# KiCad board dacboard.kicad_pcb (continued)
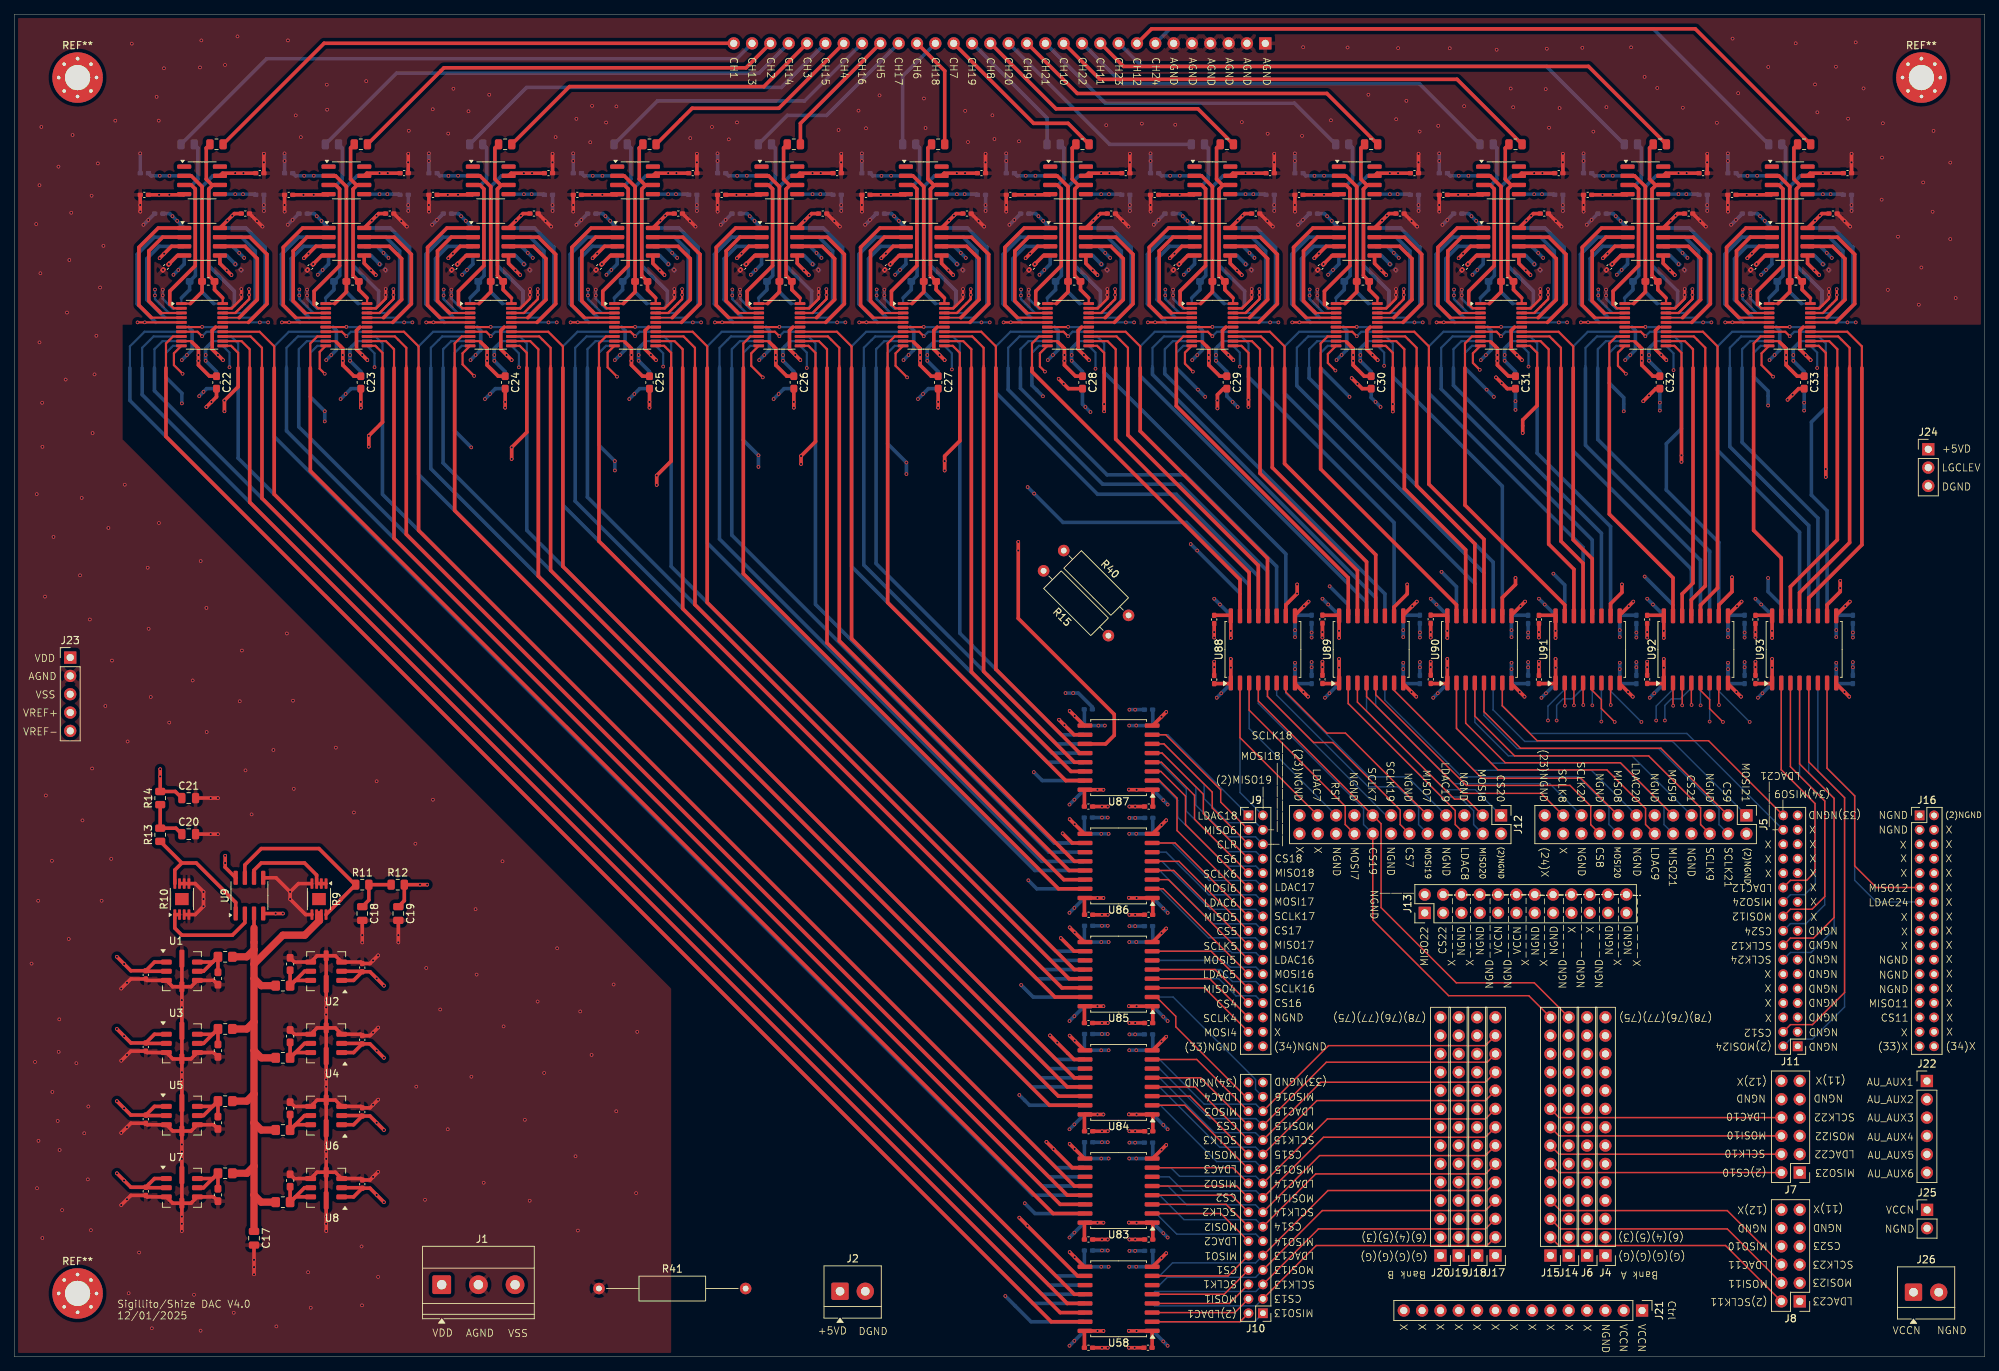
[diagram p0: board, top side]
## Routing (per net, layer and track width the routed paths; a pad name or vN(x,y) marks a point on that pad's centre or on a via; arc(x,y) is an arc through that point) (continued)
  Bottom w0.3: U39.20 43.14,146.69 43.12,146.7
  Bottom w0.5: 43.12,146.7 44.28,147.85 C60.2 45.07,149.8 45.07,161.79 44.5,162.37 U72.6 ; 43.52,162.37 U72.6 ; U72.6 44.61,162.37 45.42,163.17 45.42,167.49 R29.1
DAC14_SCLK: length 171.5
  Bottom w0.3: U39.13 39.27,141.38 37.7,139.8 37.7,137
  Bottom w0.5: 148.26,23.63 142.37,23.63 37.7,128.3 37.7,137
DAC14_SDIN: length 166.9
  Bottom w0.3: 39.4,137 39.4,139.6 40.52,140.72 U39.12
  Bottom w0.5: 148.26,24.91 143.34,24.91 39.4,128.85 39.4,137
DAC14_SDO: length 171.7
  In10.Cu w0.5: v1(43,131) 43,118.26 140,21.26 v1(140,21.25)
  Bottom w0.3: 41,137 41,139.1 41.98,140.07 U39.11
  Bottom w0.5: v1(43,129.6) v1(43,131) 41,133 41,137 ; v1(140,21.25) 141.43,19.82 148.26,19.82
DAC14_SYNC_N: length 176.3
  Bottom w0.3: 36,137 36,140 38.02,142.03 U39.14
  Bottom w0.5: 36,137 36,127.5 141.13,22.37 148.26,22.37
DAC14_VOUT: length 21
  Bottom w0.3: 50.47,145.82 49.92,145.28 U39.2
  Bottom w0.5: 48.47,162.37 47.5,162.37 46.95,161.81 46.95,151.18 50.47,147.65 50.47,145.82
DAC15_INV: length 22.4
  Bottom w0.2: 68.13,163.63 68.47,163.63 67.68,163.63
  Bottom w0.3: U40.1 67.62,145.93
  Bottom w0.5: 67.62,145.93 66,147.55 C61.1 66,162.14 67.5,163.63 68.47,163.63
DAC15_LDAC_N: length 136.1
  Bottom w0.3: 71,137 71,140.4 70.03,141.38 U40.8
  Bottom w0.5: 71,137 71,114.5 144.32,41.18 148.26,41.18
DAC15_RFB: length 26.1
  Bottom w0.2: 63.87,162.37 U73.6
  Bottom w0.3: U40.20 63.14,146.69 63.12,146.7
  Bottom w0.5: 63.12,146.7 64.28,147.85 C61.2 65.07,149.8 65.07,161.79 64.5,162.37 U73.6 ; U73.6 64.61,162.37 65.42,163.17 65.42,167.49 R30.1 ; U73.6 63.52,162.37
DAC15_SCLK: length 148.4
  Bottom w0.3: U40.13 59.28,141.38 57.7,139.8 57.7,137
  Bottom w0.5: 148.26,38.63 142.12,38.63 57.7,123.05 57.7,137
DAC15_SDIN: length 143.6
  Bottom w0.3: 59.4,137 59.4,139.6 60.53,140.72 U40.12
  Bottom w0.5: 148.26,39.91 143.34,39.91 59.4,123.85 59.4,137
DAC15_SDO: length 147.4
  In10.Cu w0.5: v1(139.25,36.25) 63.3,112.2 v1(63.3,126)
  Bottom w0.3: 61,137 61,139.1 61.97,140.07 U40.11
  Bottom w0.5: v1(63.3,126) 61,128.3 61,137 ; v1(139.25,36.25) 140.68,34.82 148.26,34.82
DAC15_SYNC_N: length 153.1
  Bottom w0.3: U40.14 58.03,142.03 56,140 56,137
  Bottom w0.5: 148.26,37.37 140.88,37.37 56,122.25 56,137
DAC15_VOUT: length 21
  Bottom w0.3: 70.47,145.82 69.92,145.28 U40.2
  Bottom w0.5: 70.47,145.82 70.47,147.65 66.95,151.18 66.95,161.81 67.5,162.37 68.47,162.37
DAC16_INV: length 22.4
  Bottom w0.2: 88.13,163.63 88.47,163.63 87.68,163.63
  Bottom w0.3: U41.1 87.62,145.93
  Bottom w0.5: 88.47,163.63 87.5,163.63 86,162.14 C62.1 86,147.55 87.62,145.93
DAC16_LDAC_N: length 112.8
  Bottom w0.3: U41.8 90.03,141.38 91,140.4 91,137
  Bottom w0.5: 91,137 91,109.5 144.32,56.18 148.26,56.18
DAC16_RFB: length 26.1
  Bottom w0.2: 83.87,162.37 U74.6
  Bottom w0.3: 83.12,146.7 83.14,146.69 U41.20
  Bottom w0.5: U74.6 84.61,162.37 85.42,163.17 85.42,167.49 R31.1 ; U74.6 83.52,162.37 ; U74.6 84.5,162.37 85.07,161.79 85.07,149.8 C62.2 84.28,147.85 83.12,146.7
DAC16_SCLK: length 124.8
  Bottom w0.3: U41.13 79.28,141.38 77.7,139.8 77.7,137
  Bottom w0.5: 148.26,53.63 142.62,53.63 77.7,118.55 77.7,137
DAC16_SDIN: length 120.2
  Bottom w0.3: U41.12 80.53,140.72 79.4,139.6 79.4,137
  Bottom w0.5: 79.4,137 79.4,119.1 143.59,54.91 148.26,54.91
DAC16_SDO: length 125.1
  In10.Cu w0.5: v1(139.5,51.5) 83.2,107.8 v1(83.2,124.1)
  Bottom w0.3: U41.11 81.97,140.07 81,139.1 81,137
  Bottom w0.5: 148.26,49.82 141.18,49.82 v1(139.5,51.5) ; 81,137 81,126.3 v1(83.2,124.1) v1(83.2,122.8)
DAC16_SYNC_N: length 129.4
  Bottom w0.3: U41.14 78.03,142.03 76,140 76,137
  Bottom w0.5: 76,137 76,118 141.63,52.37 148.26,52.37
DAC16_VOUT: length 21
  Bottom w0.3: 90.47,145.82 89.92,145.28 U41.2
  Bottom w0.5: 90.47,145.82 90.47,147.65 86.95,151.18 86.95,161.81 87.5,162.37 88.47,162.37
DAC17_INV: length 22.4
  Bottom w0.2: 107.68,163.63 108.47,163.63 108.13,163.63
  Bottom w0.3: U44.1 107.62,145.93
  Bottom w0.5: 108.47,163.63 107.5,163.63 106,162.14 C63.1 106,147.55 107.62,145.93
DAC17_LDAC_N: length 89.7
  Bottom w0.3: U44.8 110.03,141.38 111,140.4 111,137
  Bottom w0.5: 148.26,71.17 144.07,71.17 111,104.25 111,137
DAC17_RFB: length 26.1
  Bottom w0.2: 103.87,162.37 U75.6
  Bottom w0.3: 103.12,146.7 103.14,146.69 U44.20
  Bottom w0.5: U75.6 104.5,162.37 105.07,161.79 105.07,149.8 C63.2 104.28,147.85 103.12,146.7 ; U75.6 103.52,162.37 ; U75.6 104.61,162.37 105.42,163.17 105.42,167.49 R32.1
DAC17_SCLK: length 101.7
  Bottom w0.3: 97.7,137 97.7,139.8 99.28,141.38 U44.13
  Bottom w0.5: 148.26,68.63 142.37,68.63 97.7,113.3 97.7,137
DAC17_SDIN: length 97
  Bottom w0.3: U44.12 100.53,140.72 99.4,139.6 99.4,137
  Bottom w0.5: 99.4,137 99.4,113.85 143.34,69.91 148.26,69.91
DAC17_SDO: length 101.9
  In10.Cu w0.5: v1(103.1,124.9) 103.1,103.4 v1(140.5,66)
  Bottom w0.3: 101,137 101,139.1 101.97,140.07 U44.11
  Bottom w0.5: v1(103.1,123.3) v1(103.1,124.9) 101,127 101,137 ; v1(140.5,66) 141.68,64.82 148.26,64.82
DAC17_SYNC_N: length 106.3
  Bottom w0.3: U44.14 98.03,142.03 96,140 96,137
  Bottom w0.5: 148.26,67.37 141.38,67.37 96,112.75 96,137
DAC17_VOUT: length 21
  Bottom w0.3: U44.2 109.92,145.28 110.47,145.82
  Bottom w0.5: 110.47,145.82 110.47,147.65 106.95,151.18 106.95,161.81 107.5,162.37 108.47,162.37
DAC18_INV: length 22.4
  Bottom w0.2: 127.68,163.63 128.47,163.63 128.13,163.63
  Bottom w0.3: U45.1 127.62,145.93
  Bottom w0.5: 128.47,163.63 127.5,163.63 126,162.14 C64.1 126,147.55 127.62,145.93
DAC18_LDAC_N: length 65.8
  Bottom w0.3: U45.8 130.03,141.38 131,140.4 131,137
  Bottom w0.5: 131,137 131,100.25 145.07,86.17 148.26,86.17
DAC18_RFB: length 26.1
  Bottom w0.2: 123.87,162.37 U76.6
  Bottom w0.3: U45.20 123.14,146.69 123.12,146.7
  Bottom w0.5: U76.6 124.61,162.37 125.42,163.17 125.42,167.49 R33.1 ; U76.6 123.52,162.37 ; U76.6 124.5,162.37 125.07,161.79 125.07,149.8 C64.2 124.28,147.85 123.12,146.7
DAC18_SCLK: length 77.5
  Bottom w0.3: U45.13 119.28,141.38 117.7,139.8 117.7,137
  Bottom w0.5: 117.7,137 117.7,109.7 143.76,83.64 148.26,83.64
DAC18_SDIN: length 73.1
  Bottom w0.3: 119.4,137 119.4,139.6 120.53,140.72 U45.12
  Bottom w0.5: 148.26,84.91 144.4,84.91 119.4,109.9 119.4,137
DAC18_SDO: length 78.1
  In10.Cu w0.5: v1(123.6,123.9) 123.6,98.65 v1(141.25,81)
  Bottom w0.3: U45.11 121.97,140.07 121,139.1 121,137
  Bottom w0.5: v1(141.25,81) 142.43,79.83 148.26,79.83 ; v1(123.6,122.3) v1(123.6,123.9) 121,126.5 121,137
DAC18_SYNC_N: length 82
  Bottom w0.3: 116,137 116,140 118.03,142.03 U45.14
  Bottom w0.5: 148.26,82.36 143.13,82.36 116,109.5 116,137
DAC18_VOUT: length 21
  Bottom w0.3: 130.47,145.82 129.92,145.28 U45.2
  Bottom w0.5: 128.47,162.37 127.5,162.37 126.95,161.81 126.95,151.18 130.47,147.65 130.47,145.82
DAC19_INV: length 22.4
  Bottom w0.2: 147.68,163.63 148.47,163.63 148.13,163.63
  Bottom w0.3: U50.1 147.62,145.93
  Bottom w0.5: 148.47,163.63 147.5,163.63 146,162.14 C65.1 146,147.55 147.62,145.93
DAC19_LDAC_N: length 50.6
  Bottom w0.3: 151,137 151,140.4 150.03,141.38 U50.8
  Bottom w0.5: 151,137 151,136.4 176.18,111.22 176.18,102.74
DAC19_RFB: length 26.1
  Bottom w0.2: 143.87,162.37 U77.6
  Bottom w0.3: U50.20 143.14,146.69 143.12,146.7
  Bottom w0.5: U77.6 144.61,162.37 145.42,163.17 145.42,167.49 R34.1 ; U77.6 143.52,162.37 ; U77.6 144.5,162.37 145.07,161.79 145.07,149.8 C65.2 144.28,147.85 143.12,146.7
DAC19_SCLK: length 64.4
  Bottom w0.3: 137.7,137 137.7,139.8 139.28,141.38 U50.13
  Bottom w0.5: 173.63,102.74 173.63,108.86 161.6,120.9 150.8,120.9 137.7,134 137.7,137
DAC19_SDIN: length 62.1
  Bottom w0.3: 139.4,137 139.4,139.6 140.53,140.72 U50.12
  Bottom w0.5: 139.4,137 139.4,134.2 151.4,122.2 162.2,122.2 174.91,109.5 174.91,102.74
DAC19_SDO: length 52.1
  In10.Cu w0.5: v1(163.9,111.7) v1(163,112.6) v1(142.52,133.08)
  Bottom w0.3: U50.11 141.97,140.07 141,139.1 141,137
  Bottom w0.5: 169.82,102.74 169.82,105.78 v1(163,112.6) ; 141,137 141,134.6 v1(142.52,133.08)
DAC19_SYNC_N: length 66.7
  Bottom w0.3: U50.14 138.03,142.03 136,140 136,137
  Bottom w0.5: 136,137 136,133.6 150.1,119.5 161,119.5 172.37,108.14 172.37,102.74
DAC19_VOUT: length 21
  Bottom w0.3: U50.2 149.92,145.28 150.47,145.82
  Bottom w0.5: 148.47,162.37 147.5,162.37 146.95,161.81 146.95,151.18 150.47,147.65 150.47,145.82
DAC20_INV: length 22.4
  Bottom w0.2: 168.13,163.63 168.47,163.63 167.68,163.63
  Bottom w0.3: U51.1 167.62,145.93
  Bottom w0.5: 168.47,163.63 167.5,163.63 166,162.14 C66.1 166,147.55 167.62,145.93
DAC20_LDAC_N: length 48.6
  Bottom w0.3: U51.8 170.03,141.38 171,140.4 171,137
  Bottom w0.5: 171,137 171,135.75 191.18,115.58 191.18,102.74
DAC20_RFB: length 26.1
  Bottom w0.2: 163.87,162.37 U78.6
  Bottom w0.3: 163.12,146.7 163.14,146.69 U51.20
  Bottom w0.5: U78.6 164.5,162.37 165.07,161.79 165.07,149.8 C66.2 164.28,147.85 163.12,146.7 ; U78.6 163.52,162.37 ; U78.6 164.61,162.37 165.42,163.17 165.42,167.49 R35.1
DAC20_SCLK: length 56
  Bottom w0.3: U51.13 159.28,141.38 157.7,139.8 157.7,137
  Bottom w0.5: 157.7,137 157.7,136.1 188.63,105.17 188.63,102.74
DAC20_SDIN: length 53.7
  Bottom w0.3: U51.12 160.53,140.72 159.4,139.6 159.4,137
  Bottom w0.5: 189.91,102.74 189.91,105.69 159.4,136.2 159.4,137
DAC20_SDO: length 50.2
  In10.Cu w0.5: v1(182.25,106.75) 165,124 v1(165,133) v1(164,134)
  Bottom w0.3: U51.11 161.97,140.07 161,139.1 161,137
  Bottom w0.5: 161,137 v1(165,133) ; 184.82,102.74 184.82,104.17 v1(182.25,106.75)
DAC20_SYNC_N: length 58.2
  Bottom w0.3: 156,137 156,140 158.03,142.03 U51.14
  Bottom w0.5: 156,137 156,135.9 187.37,104.53 187.37,102.74
DAC20_VOUT: length 21
  Bottom w0.3: U51.2 169.92,145.28 170.47,145.82
  Bottom w0.5: 168.47,162.37 167.5,162.37 166.95,161.81 166.95,151.18 170.47,147.65 170.47,145.82
DAC21_INV: length 22.4
  Bottom w0.2: 188.13,163.63 188.47,163.63 187.68,163.63
  Bottom w0.3: U52.1 187.62,145.93
  Bottom w0.5: 187.62,145.93 186,147.55 C67.1 186,162.14 187.5,163.63 188.47,163.63
DAC21_LDAC_N: length 46.5
  Bottom w0.3: 191,137 191,140.4 190.03,141.38 U52.8
  Bottom w0.5: 206.18,102.74 206.18,120.62 191,135.8 191,137
DAC21_RFB: length 26.1
  Bottom w0.2: 183.87,162.37 U79.6
  Bottom w0.3: U52.20 183.14,146.69 183.12,146.7
  Bottom w0.5: U79.6 184.61,162.37 185.42,163.17 185.42,167.49 R36.1 ; U79.6 184.5,162.37 185.07,161.79 185.07,149.8 C67.2 184.28,147.85 183.12,146.7 ; U79.6 183.52,162.37
DAC21_SCLK: length 53.9
  Bottom w0.3: U52.13 179.28,141.38 177.7,139.8 177.7,137
  Bottom w0.5: 177.7,137 177.7,134.55 203.63,108.61 203.63,102.74
DAC21_SDIN: length 51.6
  Bottom w0.3: 179.4,137 179.4,139.6 180.53,140.72 U52.12
  Bottom w0.5: 179.4,137 179.4,135.6 204.91,110.09 204.91,102.74
DAC21_SDO: length 46.7
  In10.Cu w0.5: v1(185,133) 188,130 188,118.5 v1(197.75,108.75)
  Bottom w0.3: U52.11 181.97,140.07 181,139.1 181,137
  Bottom w0.5: v1(197.75,108.75) 199.82,106.67 199.82,102.74 ; 181,137 v1(185,133)
DAC21_SYNC_N: length 56.2
  Bottom w0.3: U52.14 178.03,142.03 176,140 176,137
  Bottom w0.5: 202.37,102.74 202.37,107.14 176,133.5 176,137
DAC21_VOUT: length 21
  Bottom w0.3: U52.2 189.92,145.28 190.47,145.82
  Bottom w0.5: 190.47,145.82 190.47,147.65 186.95,151.18 186.95,161.81 187.5,162.37 188.47,162.37
DAC22_INV: length 22.4
  Bottom w0.2: 207.68,163.63 208.47,163.63 208.13,163.63
  Bottom w0.3: U53.1 207.62,145.93
  Bottom w0.5: 208.47,163.63 207.5,163.63 206,162.14 C68.1 206,147.55 207.62,145.93
DAC22_LDAC_N: length 44.4
  Bottom w0.3: 211,137 211,140.4 210.03,141.38 U53.8
  Bottom w0.5: 221.18,102.74 221.18,115.03 211,125.2 211,137
DAC22_RFB: length 26.1
  Bottom w0.2: 203.87,162.37 U80.6
  Bottom w0.3: U53.20 203.14,146.69 203.12,146.7
  Bottom w0.5: U80.6 204.61,162.37 205.42,163.17 205.42,167.49 R37.1 ; U80.6 203.52,162.37 ; U80.6 204.5,162.37 205.07,161.79 205.07,149.8 C68.2 204.28,147.85 203.12,146.7
DAC22_SCLK: length 51.8
  Bottom w0.3: 197.7,137 197.7,139.8 199.28,141.38 U53.13
  Bottom w0.5: 197.7,137 197.7,134.1 218.63,113.17 218.63,102.74
DAC22_SDIN: length 49.6
  Bottom w0.3: 199.4,137 199.4,139.6 200.53,140.72 U53.12
  Bottom w0.5: 199.4,137 199.4,134.6 219.91,114.09 219.91,102.74
DAC22_SDO: length 46
  In10.Cu w0.5: v1(213.25,108.5) 205.77,115.98 205.77,132.23 v1(205,133) v1(204,134)
  Bottom w0.3: U53.11 201.97,140.07 201,139.1 201,137
  Bottom w0.5: 201,137 v1(205,133) ; 214.82,102.74 214.82,106.92 v1(213.25,108.5)
DAC22_SYNC_N: length 54.1
  Bottom w0.3: 196,137 196,140 198.03,142.03 U53.14
  Bottom w0.5: 217.37,102.74 217.37,112.14 196,133.5 196,137
DAC22_VOUT: length 21
  Bottom w0.3: U53.2 209.92,145.28 210.47,145.82
  Bottom w0.5: 208.47,162.37 207.5,162.37 206.95,161.81 206.95,151.18 210.47,147.65 210.47,145.82
DAC23_INV: length 22.4
  Bottom w0.2: 227.68,163.63 228.47,163.63 228.13,163.63
  Bottom w0.3: U56.1 227.62,145.93
  Bottom w0.5: 228.47,163.63 227.5,163.63 226,162.14 C69.1 226,147.55 227.62,145.93
DAC23_LDAC_N: length 44.1
  Bottom w0.3: 231,137 231,140.4 230.03,141.38 U56.8
  Bottom w0.5: 231,137 231,128.6 228.9,126.5 228.9,120.1 236.18,112.83 236.18,102.74
DAC23_RFB: length 26.1
  Bottom w0.2: 223.87,162.37 U81.6
  Bottom w0.3: U56.20 223.14,146.69 223.12,146.7
  Bottom w0.5: U81.6 224.61,162.37 225.42,163.17 225.42,167.49 R38.1 ; U81.6 223.52,162.37 ; U81.6 224.5,162.37 225.07,161.79 225.07,149.8 C69.2 224.28,147.85 223.12,146.7
DAC23_SCLK: length 49.8
  Bottom w0.3: 217.7,137 217.7,139.8 219.28,141.38 U56.13
  Bottom w0.5: 233.63,102.74 233.63,110.36 217.7,126.3 217.7,137
DAC23_SDIN: length 47.5
  Bottom w0.3: 219.4,137 219.4,139.6 220.53,140.72 U56.12
  Bottom w0.5: 219.4,137 219.4,127.1 234.91,111.59 234.91,102.74
DAC23_SDO: length 42.6
  In10.Cu w0.5: v1(225.9,108.1) 225.9,118.1 223,121 v1(223,131)
  Bottom w0.3: 221,137 221,139.1 221.97,140.07 U56.11
  Bottom w0.5: 229.82,102.74 229.82,104.17 v1(225.9,108.1) ; 221,137 221,134.9 223,132.9 v1(223,131)
DAC23_SYNC_N: length 52
  Bottom w0.3: 216,137 216,140 218.03,142.03 U56.14
  Bottom w0.5: 216,137 216,125.5 232.37,109.14 232.37,102.74
DAC23_VOUT: length 21
  Bottom w0.3: 230.47,145.82 229.92,145.28 U56.2
  Bottom w0.5: 228.47,162.37 227.5,162.37 226.95,161.81 226.95,151.18 230.47,147.65 230.47,145.82
DAC24_INV: length 22.4
  Bottom w0.2: 247.68,163.63 248.47,163.63 248.13,163.63
  Bottom w0.3: U57.1 247.62,145.93
  Bottom w0.5: 248.47,163.63 247.5,163.63 246,162.14 C70.1 246,147.55 247.62,145.93
DAC24_LDAC_N: length 41.9
  Bottom w0.3: U57.8 250.02,141.38 251,140.4 251,137
  Bottom w0.5: 251,137 251,131.5 249,129.5 249,119.4 251.18,117.22 251.18,102.74
DAC24_RFB: length 26.1
  Bottom w0.2: 243.87,162.37 U82.6
  Bottom w0.3: 243.12,146.7 243.14,146.69 U57.20
  Bottom w0.5: U82.6 244.61,162.37 245.42,163.17 245.42,167.49 R39.1 ; U82.6 243.52,162.37 ; U82.6 244.5,162.37 245.07,161.79 245.07,149.8 C70.2 244.28,147.85 243.12,146.7
DAC24_SCLK: length 47.7
  Bottom w0.3: 237.7,137 237.7,139.8 239.28,141.38 U57.13
  Bottom w0.5: 248.63,102.74 248.63,115.17 237.7,126.1 237.7,137
DAC24_SDIN: length 45.4
  Bottom w0.3: 239.4,137 239.4,139.6 240.53,140.72 U57.12
  Bottom w0.5: 249.9,102.74 249.9,116.19 239.4,126.7 239.4,137
DAC24_SDO: length 40.5
  In10.Cu w0.5: v1(243,107.9) v1(243,131.8)
  Bottom w0.3: 241,137 241,139.1 241.97,140.07 U57.11
  Bottom w0.5: 244.82,102.74 244.82,104.17 243,106 v1(243,107.9) ; 241,137 241,135.8 243,133.8 v1(243,131.8)
DAC24_SYNC_N: length 49.9
  Bottom w0.3: U57.14 238.03,142.03 236,140 236,137
  Bottom w0.5: 236,137 236,125.6 247.37,114.23 247.37,102.74
DAC24_VOUT: length 21
  Bottom w0.3: 250.47,145.82 249.92,145.28 U57.2
  Bottom w0.5: 248.47,162.37 247.5,162.37 246.95,161.81 246.95,151.18 250.47,147.65 250.47,145.82
LDAC_N_CH1: length 49.9
  Top w0.2: U58.2 169.82,4.82 J10.2
  In1.Cu w0.2: J18.2 201.29,15.15 181.53,15.15 173.36,6.98 171.98,6.98 J10.2
LDAC_N_CH2: length 51
  Top w0.2: U83.2 167.18,19.82 J10.12
  In1.Cu w0.2: J10.12 171.98,16.98 173.36,16.98 181.93,25.55 201.53,25.55 J18.6
LDAC_N_CH3: length 53.2
  Top w0.2: U84.2 162.18,34.82 J10.22
  In1.Cu w0.2: J10.22 171.98,26.98 173.36,26.98 181.85,35.47 201.29,35.47 J18.10
LDAC_N_CH4: length 58.7
  Top w0.2: U85.2 158.25,49.82 160.93,47.15 160.93,45.7 170.62,36 J10.32
  In1.Cu w0.2: J17.14 203.83,45.63 182.01,45.63 173.36,36.98 171.98,36.98 J10.32
LDAC_N_CH5: length 58.9
  Top w0.2: J9.23 159.18,64.82 U86.2
  In4.Cu w0.2: J20.5 175.39,46.37 175.39,49.99 173.36,52.02 171.98,52.02 J9.23
LDAC_N_CH6: length 63.5
  Top w0.2: U87.2 158.67,79.83 161.1,77.4 161.1,72.9 J9.13
  In4.Cu w0.2: J20.9 180.87,51.05 180.87,54.51 173.36,62.02 171.98,62.02 J9.13
LDAC_N_CH7: length 57.8
  Top w0.2: J12.21 169.82,85.78 U88.2
  In4.Cu w0.2: J20.14 187.39,57.23 187.39,63.71 181.85,69.25 181.85,73.75 J12.21
LDAC_N_CH8: length 63.6
  Top w0.2: U89.2 184.82,90.5 199.65,75.67 199.65,73.73 J12.6
  In3.Cu w0.2: J12.6 206.86,66.52 206.86,60.46 219.2,48.12 219.2,45.74 J4.13
LDAC_N_CH9: length 77
  Top w0.2: U90.2 199.82,87.05 205.57,81.3 220.68,81.3 226.03,75.95 226.03,73.73 J5.12
  In5.Cu w0.2: J5.12 227.3,46.24 J4.11
LDAC_N_CH10: length 125.3
  Top w0.2: 214.8,90.25 214.82,90.28 U91.2 ; J15.9 214.04,33.12 J7.8
  In1.Cu w0.2: v1(214.85,90.2) 214.85,84.15 221.06,77.94 247.07,77.94 249.5,75.51 249.5,35.97 247.9,34.38 246.1,34.38 J7.8
LDAC_N_CH11: length 143.5
  Top w0.2: J8.6 237.35,20.23 214.23,20.23 J15.4 ; 229.8,90.25 229.82,90.28 U92.2
  In1.Cu w0.2: v1(229.85,90.2) 229.85,86.38 232.66,83.57 249.04,83.57 256.48,76.13 256.48,21.23 249.13,13.88 246,13.88 J8.6
LDAC_N_CH12: length 79.3
  Top w0.2: J11.24 246.1,66 248.35,66 249.5,67.15 249.5,76.65 244.82,81.33 U93.2
  In1.Cu w0.2: J11.24 234.63,54.53 234.63,46.17 221.48,33.02 219.16,33.02 J6.8
LDAC_N_CH13: length 52.9
  Top w0.2: J17.5 204.07,23.01 182.01,23.01 J10.9
  Bottom w0.2: U94.2 158.67,11.18 160.48,12.98 171.98,12.98 J10.9
LDAC_N_CH14: length 52.7
  Top w0.2: J10.19 181.93,32.93 203.83,32.93 J17.9
  Bottom w0.2: J10.19 172.02,24.98 161.45,24.98 160.25,26.18 U95.2
LDAC_N_CH15: length 54.9
  Top w0.2: J10.29 182.09,43.09 203.83,43.09 J17.13
  Bottom w0.2: U96.2 158.67,41.18 164.87,34.98 172.02,34.98 J10.29
LDAC_N_CH16: length 60.2
  In2.Cu w0.2: J9.22 189.39,38.61 189.39,30.97 194.81,25.55 198.75,25.55 J19.5
  Bottom w0.2: J9.22 172.03,55.97 168.68,55.97 168.47,56.18 U97.2
LDAC_N_CH17: length 61.5
  In2.Cu w0.2: J9.12 194.74,43.26 194.74,36.91 195.94,35.71 198.75,35.71 J19.9
  Bottom w0.2: J9.12 172.02,65.98 165.57,65.98 160.38,71.17 U98.2
LDAC_N_CH18: length 64
  In2.Cu w0.2: J9.1 171.98,74.02 173.36,74.02 175.03,72.35 175.03,65.07 194.47,45.63 198.99,45.63 J19.13
  Bottom w0.2: J9.1 159.82,86.17 U99.2
LDAC_N_CH19: length 71.2
  In3.Cu w0.2: J6.13 216.63,45.77 216.63,48.12 211.95,52.8 208.7,52.8 201.76,59.74 201.76,67.3 199.65,69.41 199.65,73.73 J12.7
  Bottom w0.2: J12.7 193.03,80.35 187.72,80.35 176.18,91.9 U100.2
LDAC_N_CH20: length 81.2
  In5.Cu w0.2: J5.13 225.99,73.77 225.99,55.13 219.21,48.35 219.21,40.69 J6.11
  Bottom w0.2: U101.2 191.18,92.33 202.25,81.25 218.51,81.25 J5.13
LDAC_N_CH21: length 100.8
  In1.Cu w0.2: J11.32 232.71,60.61 232.71,46.33 221.97,35.59 219.19,35.59 J6.9
  Bottom w0.2: U102.2 206.18,90.22 210.05,86.35 231.75,86.35 J11.32
LDAC_N_CH22: length 125.2
  In2.Cu w0.2: v1(225.45,87.95) 225.45,84.56 228.61,81.4 248.16,81.4 252.16,77.4 252.16,32.81 J7.3 246.03,26.68 243.5,26.68 242.09,28.09 216.53,28.09 J14.7
  Bottom w0.2: U103.2 221.18,92.22 v1(225.45,87.95)
LDAC_N_CH23: length 141
  In2.Cu w0.2: v1(240.45,87.95) 242.08,86.32 250.66,86.32 259.37,77.61 259.37,19.63 J8.1 246.24,8.8 243.99,8.8 237.4,15.39 216.53,15.39 J14.2
  Bottom w0.2: v1(240.45,87.95) 236.18,92.22 U104.2
LDAC_N_CH24: length 96.7
  In3.Cu w0.2: J4.7 241.22,50 251,50 J16.13
  Bottom w0.2: U105.2 251.18,81.52 255,77.69 255,66 258,63 J16.13
LOGIC_LEVEL: length 393.4
  Top w0.3: U29.10 202.1,139.04 202.1,137.7 v1(203.05,136.75) ; U13.10 42.3,139.24 42.3,136.9 v1(43,136.2) ; v1(123.7,135.7) 122.1,137.3 122.1,139.04 U21.10 ; v1(63.7,135.9) 62.1,137.5 62.1,139.04 U15.10 ; U10.10 22.1,139.04 22.1,137.4 v1(23.3,136.2) ; U27.10 162.2,139.14 162.2,137.6 163.2,136.6 ; U26.10 142.1,139.04 142.1,137.2 v1(142.8,136.5) ; U28.10 182,138.94 182,137.7 v1(183.05,136.65) ; v1(243.7,135.8) 242.1,137.4 242.1,139.04 U33.10 ; U17.10 82.2,139.14 82.2,137.1 v1(83.5,135.8) ; U19.10 102.1,139.04 102.1,137.3 v1(103.7,135.7) ; U32.10 222.2,139.14 222.2,137.3 v1(223.3,136.2)
  In3.Cu w0.5: v1(23.3,136.2) 28.9,136.2 v1(29.8,137.1) 42.1,137.1 v1(43,136.2) 49,136.2 v1(49.9,137.1) 62.5,137.1 v1(63.7,135.9) 68.7,135.9 v1(69.9,137.1) 82.2,137.1 v1(83.5,135.8) 88.5,135.8 v1(89.9,137.2) 102.2,137.2 v1(103.7,135.7) 108.5,135.7 v1(109.8,137) 122.4,137 v1(123.7,135.7) 128.8,135.7 v1(129.9,136.8) 133.3,136.8 135.3,134.8 137,136.5 v1(142.8,136.5) 149.4,136.5 v1(149.8,136.9) 162.9,136.9 v1(163.3,136.5) 169.1,136.5 v1(169.8,137.2) 182.5,137.2 v1(183.05,136.65) 189.15,136.65 v1(189.8,137.3) 202.5,137.3 v1(203.05,136.75) 209.35,136.75 v1(209.8,137.2) 222.3,137.2 v1(223.3,136.2) 229.4,136.2 v1(229.9,136.7) 242.8,136.7 v1(243.7,135.8) 248.6,135.8 v1(249.8,137) 254.25,137 255.85,135.4 255.85,126.55 259.2,123.2 J24.2
  In3.Cu w1.5: 135.3,134.8 135.3,119 144,110.3 ; 144,110.3 R40.1 ; 144,110.3 142.61,108.91 R15.2
  Bottom w0.3: v1(29.8,137.1) 29.8,139.14 U38.10 ; U50.10 149.8,139.14 149.8,137 ; v1(49.9,137.1) 49.9,139.04 U39.10 ; U57.10 249.8,139.14 249.8,137.1 ; v1(189.8,137.3) 189.8,139.14 U52.10 ; U56.10 229.9,139.04 229.9,136.8 ; U51.10 169.8,139.14 v1(169.8,137.2) ; U44.10 109.8,139.14 109.8,137.1 ; U53.10 209.8,139.14 v1(209.8,137.2) ; v1(129.9,136.8) 129.9,139.04 U45.10 ; U40.10 69.9,139.04 v1(69.9,137.1) ; v1(89.9,137.2) 89.9,139.04 U41.10
MISO_CH1: length 14.5
  Top w0.2: J10.10 168.18,11.18 U58.7
MISO_CH2: length 14.3
  Top w0.2: U83.7 168.82,26.18 J10.20
MISO_CH3: length 16.3
  Top w0.2: U84.7 163.82,41.18 J10.30
MISO_CH4: length 15.5
  Top w0.2: J9.25 165.82,56.18 U85.7
MISO_CH5: length 17.6
  Top w0.2: U86.7 160.82,71.17 J9.15
MISO_CH6: length 19.8
  Top w0.2: U87.7 159.53,86.17 167.15,78.55 167.15,76.85 J9.3
MISO_CH7: length 28
  Top w0.2: J12.9 184.44,86.4 181.88,86.4 176.18,92.1 U88.7
MISO_CH8: length 39.2
  Top w0.2: U89.7 191.18,92.33 203.35,80.15 217.07,80.15 J5.15
MISO_CH9: length 48.4
  Top w0.2: U90.7 206.18,90.17 211,85.35 234.75,85.35 J11.34
MISO_CH10: length 110.1
  Top w0.2: U91.7 221.18,90.33
  In1.Cu w0.2: v1(221.2,90.3) 229.08,82.42 248.65,82.42 254.99,76.08 254.99,21.39 250.02,16.42 249.82,16.42 ; J8.8 246,16.42 249.82,16.42 ; 249.82,16.42 249.85,16.42
MISO_CH11: length 62.9
  Top w0.2: U92.7 236.18,90.33
  In1.Cu w0.2: J16.27 262.19,50.81 262.19,76.29 249.28,89.2 237.3,89.2 v1(236.2,90.3)
MISO_CH12: length 37.2
  Top w0.2: U93.7 251.18,81.53 255,77.7 255,68 258,65 J16.11
MISO_CH13: length 15.8
  Bottom w0.2: J10.1 171.82,4.82 U94.7
MISO_CH14: length 16.9
  Bottom w0.2: J10.11 172.02,16.98 161.06,16.98 158.21,19.82 U95.7
MISO_CH15: length 19
  Bottom w0.2: U96.7 158.8,34.82 166.6,27.02 171.98,27.02 J10.21
MISO_CH16: length 21.9
  Bottom w0.2: J10.31 171.98,37.02 171.98,38.4 160.56,49.82 U97.7
MISO_CH17: length 18.6
  Bottom w0.2: U98.7 158.67,64.82 165.48,58.02 171.98,58.02 J9.20
MISO_CH18: length 22
  Bottom w0.2: J9.10 172.02,67.98 167.97,67.98 161.2,74.75 161.2,77.08 158.45,79.83 U99.7
MISO_CH19: length 19.7
  Bottom w0.2: J9.2 169.82,78.17 U100.7
MISO_CH20: length 30.1
  Bottom w0.2: J12.4 202.2,73.72 202.2,75.65 200.3,77.55 197.75,77.55 184.82,90.47 U101.7
MISO_CH21: length 43.8
  Bottom w0.2: J5.10 228.57,73.72 228.57,76.17 222.5,82.25 204.65,82.25 199.82,87.08 U102.7
MISO_CH22: length 43.4
  In1.Cu w0.2: J13.1 196.7,62.75 196.7,64.72 200.03,68.05 206.22,68.05 208.26,70.08 208.26,83.91 v1(212.5,88.15)
  Bottom w0.2: 212.5,88.25 212.5,90.15 214.82,92.47 U103.7
MISO_CH23: length 92.9
  In2.Cu w0.2: v1(227.5,88.15) 227.5,85.07 230.15,82.42 248.65,82.42 253.6,77.47 253.6,31.71 J7.1
  Bottom w0.2: U104.7 229.82,92.47 227.5,90.15 227.5,88.25
MISO_CH24: length 35.3
  Bottom w0.2: J11.22 246.1,64 248.05,64 249.55,65.5 249.55,76.6 244.82,81.33 U105.7
MOSI_CH1: length 50.4
  Top w0.2: U58.3 169.09,6.09 J10.4
  In1.Cu w0.2: J10.4 171.98,8.98 173.36,8.98 182.31,17.93 201.53,17.93 J18.3
MOSI_CH2: length 51
  Top w0.2: U83.3 167.91,21.09 J10.14
  In1.Cu w0.2: J10.14 171.98,18.98 173.4,18.98 182.28,27.85 201.29,27.85 J18.7
MOSI_CH3: length 53.1
  Top w0.2: U84.3 162.91,36.09 J10.24
  In1.Cu w0.2: J10.24 171.98,28.98 173.36,28.98 182.39,38.01 201.29,38.01 J18.11
MOSI_CH4: length 56.6
  Top w0.2: U85.3 164.91,51.09 J9.31
  In3.Cu w0.2: J9.31 172.02,43.98 174.23,43.98 175.83,42.38 175.83,38.31 J20.2
MOSI_CH5: length 58.1
  Top w0.2: J9.21 159.91,66.09 U86.3
  In4.Cu w0.2: J20.6 176.87,47.43 176.87,50.51 173.36,54.02 171.98,54.02 J9.21
MOSI_CH6: length 62.3
  Top w0.2: J9.11 162.28,73.72 162.28,77.67 158.85,81.09 U87.3
  In4.Cu w0.2: J9.11 171.98,64.02 173.39,64.02 182.12,55.29 182.12,52.34 J20.10
MOSI_CH7: length 59.4
  Top w0.2: U88.3 171.09,89.58 184.4,76.28 184.4,73.74 J12.18
  In4.Cu w0.2: J12.18 190.27,67.87 190.27,59.43 J18.14
MOSI_CH8: length 63.5
  Top w0.2: U89.3 186.09,90.7 199.55,77.25 201.21,77.25 J12.3
  In4.Cu w0.2: J12.3 204.61,73.85 204.61,71.82 206.86,69.57 206.86,47.92 J15.12
